# KiCad board transistor_clock.kicad_pcb (continued)
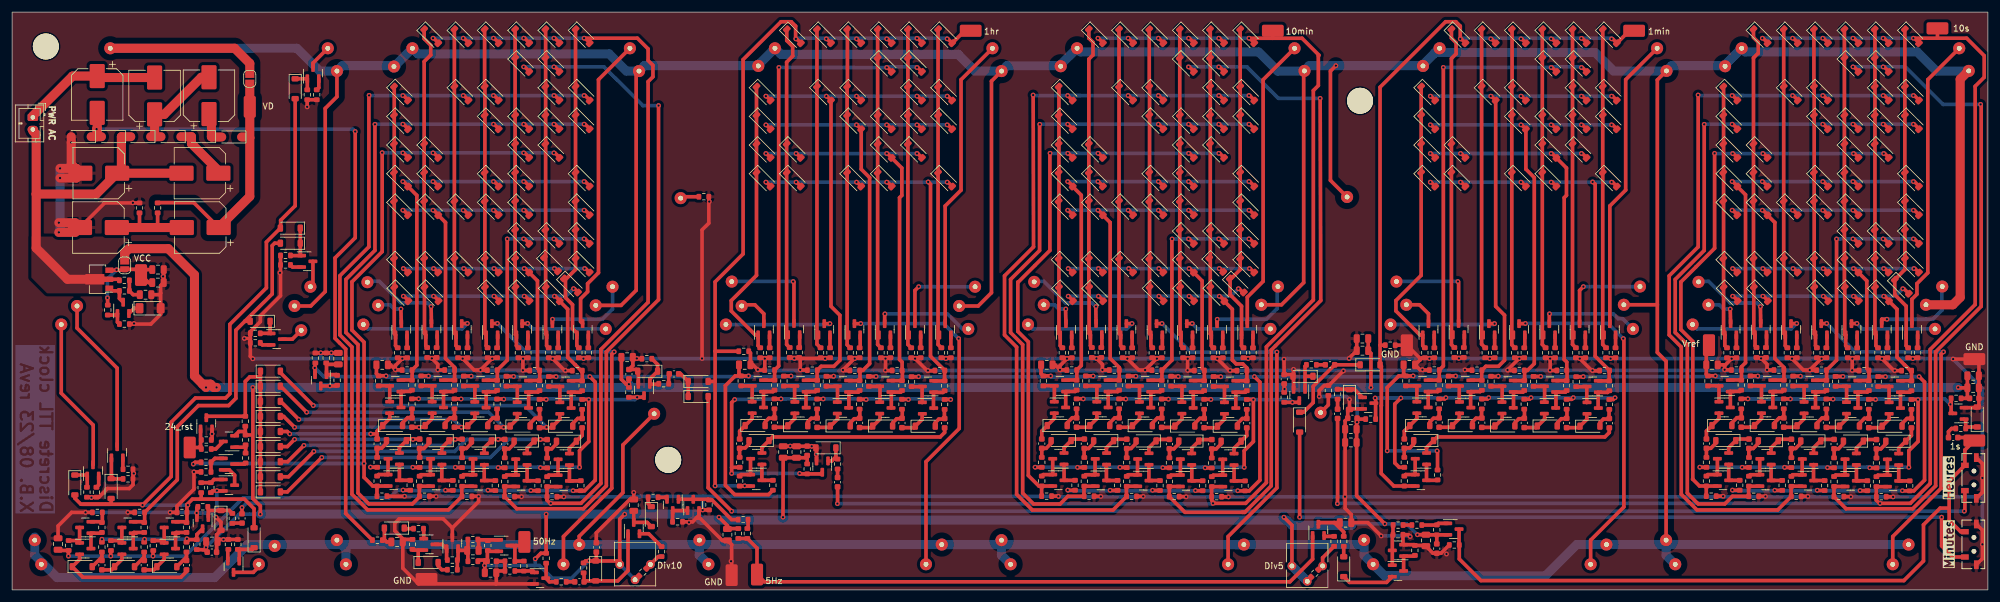
[diagram p0: board, top side]
## Library data of the parts (continued)
R19 R20 R22 R24 R26 R28 R30 R32 R34 R36 R38 R53 R60 R62 R68 R70 R74 R76 R80 R82 R86 R88 R91 R94 R96 R100 R102 R104 R106 R110 R112 R119 R120 R122 R128 R134 R136 R138 R140 R144 R146 R148 R150 R154 R156 R162 R164 R166 R169 R172 R174 R176 R178 R180 R182 R184 R188 R190 R192 R197 R204 R206 R214 R216 R218 R220 R224 R226 R228 R235 R240 R243 R245 R248 R252 R255 R272 R274 R276 R278 R280 R282 R284 R286 R288 R290 R292 R294 R296 R298 R300 R302 R304 R306 R308 R310 R312 R314 R316 R318 R323 R325 R329 = -: Description: Resistor; Assembly: True; LCSC_PN: C4190; Price: 0.0009
R236 R244 R261 = -: Description: Resistor; Assembly: True; LCSC_PN: C21190; Price: 0.0005
R253 R267 R269 = -: Description: Resistor; Assembly: False
RV1 RV2 = -: Description: Potentiometer; Assembly: False
SW1 SW2 = -: Description: Double Pole Single Throw (DPST) Switch
TP1-TP15 = -: Description: test point; Assembly: False

## Footprints (pads in the part's own frame, mm; a bottom-side part is the same pattern mirrored in y, then rotated)
C_0603_1608Metric
  rrect 0.9x0.95 smd: 1(-0.775,0) 2(0.775,0)
C_0805_2012Metric
  rrect 1x1.45 smd: 1(-0.95,0) 2(0.95,0)
CP_Elec_8x5.4
  rrect 4x2.5 smd: 1(-3.05,0) 2(3.05,0)
D_MiniMELF
  rrect 1.3x1.7 smd: 1(-1.75,0) 2(1.75,0)
D_SOD-123
  rrect 0.9x1.2 smd: 1(-1.65,0) 2(1.65,0)
JST_PH_B2B-PH-K_1x02_P2.00mm_Vertical
  rrect 1.2x1.75 hole 0.75: 1(0,0)
  oval 1.2x1.75 hole 0.75: 2(2,0)
LED_filament_38mm
  round 2 hole 0.8: 1(1,0) 2(37,0)
MountingHole_4.3mm_M4
  round 4.3 hole 4.3 unplated: (0,0)
Potentiometer_Vishay_T73YP_Vertical
  round 1.44 hole 0.8: 1(0,0) 2(2.54,2.54) 3(0,5.08)
R_0603_1608Metric
  rrect 0.8x0.95 smd: 1(-0.825,0) 2(0.825,0)
RCSRCW_0C_testpoint_1206
  rrect 3.6x2 smd: 1(0,0)
SolderJumper-2_P1.3mm_Open_RoundedPad1.0x1.5mm
  custom 1x1.5 smd: 1(-0.65,0) 2(0.65,0)
SOT-23
  rrect 1.475x0.6 smd: 1(-0.938,0.95) 2(-0.938,-0.95) 3(0.938,0)
SOT-89-3
  rect 1.3x0.9 smd: 1(-1.95,1.5) 3(-1.95,-1.5)
  custom 4.6x1.733 smd: 2(-1.863,0)
TL3330
  round 0.8 hole 0.762 unplated: (-1.15,-0.1) (1.15,-0.1)
  rect 0.889x1.27 smd: 1(-2.095,1.397) 2(2.095,1.397)
  rect 1.448x0.787 smd: 3(-3.378,-0.495) 4(3.378,-0.495)

## Nets
/PSU/12V_out: C61.1 C76.1 JP1.1 Q123.3 R253.1 TP5.1
/PSU/12V_unreg: C66.2 C74.1 D298.1 D324.2 J2.2 Q123.2 R252.1
GND: C1.1 C2.2 C4.2 C5.1 C7.1 C13.2 C15.2 C17.2 C19.2 C20.1 C22.1 C27.2 C28.2 C29.1 C31.1 C36.2 C37.1 C39.1 C42.1 C43.1 C57.1 C58.2 C59.1 C60.2 C61.2 C67.2 C69.1 C70.1 C71.1 C72.2 C73.1 C74.2 C76.2 C77.1 C79.2 C80.1 C83.2 D57.2 D123.2 D137.2 D147.2 D262.2 D292.2 D296.2 D297.2 Q9.2 Q26.2 Q45.2 Q59.2 Q84.2 Q97.2 Q111.2 Q115.2 Q118.2 Q121.2 Q126.3 Q158.2 R2.2 R3.2 R4.2 R5.2 R6.2 R7.2 R8.2 R9.2 R10.2 R11.2 R12.2 R13.2 R14.2 R15.2 R16.2 R17.2 R22.2 R26.2 R30.2 R34.2 R38.2 R40.2 R41.2 R42.2 R43.2 R44.2 R45.2 R46.2 R47.2 R48.2 R49.2 R50.2 R51.2 R54.2 R55.2 R56.2 R57.2 R58.2 R59.2 R62.2 R64.2 R65.2 R66.2 R67.2 R70.2 R72.2 R73.2 R76.2 R78.2 R79.2 R82.2 R84.2 R85.2 R88.2 R92.2 R93.2 R96.2 R98.2 R99.2 R102.2 R106.2 R108.2 R109.2 R112.2 R114.2 R115.2 R116.2 R117.2 R122.2 R124.2 R125.2 R126.2 R127.2 R130.2 R131.2 R132.2 R133.2 R134.2 R138.2 R142.2 R143.2 R146.2 R150.2 R152.2 R153.2 R156.2 R158.2 R159.2 R160.2 R161.2 R164.2 R166.2 R170.2 R171.2 R174.2 R178.2 R182.2 R186.2 R187.2 R188.2 R192.2 R194.1 R196.1 R200.2 R201.2 R202.2 R203.2 R206.2 R208.2 R209.2 R210.2 R211.2 R212.2 R213.2 R216.2 R220.2 R226.2 R231.2 R239.2 R242.2 R245.2 R247.2 R250.2 R251.2 R254.2 R262.1 R265.1 R266.2 R274.2 R278.2 R282.2 R286.2 R290.2 R294.2 R298.2 R302.2 R306.2 R310.2 R314.2 R318.2 R320.2 R321.2 R325.2 R328.1 R330.2 R331.2 SW1.3 SW1.4 SW2.3 SW2.4 TP1.1 TP2.1 TP3.1 TP4.1
VCC: C2.1 C4.1 C5.2 C13.1 C15.1 C17.1 C19.1 C20.2 C27.1 C28.1 C29.2 C36.1 C37.2 C42.2 C58.1 C59.2 C67.1 C69.2 C72.1 C73.2 C79.1 C80.2 D289.1 JP1.2 Q1.3 Q98.2 Q122.2 Q128.2 R1.1 R19.1 R53.1 R91.1 R119.1 R169.1 R197.1 R198.2 R232.1 R234.2 R240.1 R248.1 R260.2 R264.2 R267.2 R269.2 R329.1 RV1.1 RV1.2 RV2.1 RV2.2
/5Hz: Q119.1 R240.2 R241.1 TP9.1
/50Hz: Q128.3 R230.1 R265.2 TP8.1
/clk_1hr: D65.2 D66.2 D67.2 D68.2 D69.2 D70.2 D303.2 Q144.2 R297.2 R298.1 TP14.1
/clk_1min: D92.2 D93.2 D94.2 D95.2 D96.2 D97.2 D302.2 Q132.2 R273.2 R274.1 TP12.1
/clk_1s: C6.1 Q122.3 R251.1 SW1.2 SW2.2 TP10.1
/clk_10min: C30.1 D150.2 D151.2 D152.2 D153.2 D154.2 D155.2 Q61.2 R121.2 R122.1 TP13.1
/clk_10s: C21.1 D8.2 D9.2 D10.2 D11.2 D12.2 D13.2 Q11.2 R21.2 R22.1 TP11.1
/Dot_H-M: D316.1 R320.1
/Dot_M-S: D317.1 R321.1
/Hours/24_rst: Q97.1 R195.1 R196.2 TP15.1
/Hours/CLK: Q84.3 R32.1 R80.1 R86.1 R128.1 R136.1 R140.1 R169.2 R172.1 R180.1 R184.1 R190.1
/Hours/Clk_in: C41.1 D303.1 D323.1
/Hours/Div24_t_A: D318.1 Q104.1 R208.1
/Hours/Div24_t_B: D294.1 D319.1 Q106.1 R212.1
/Hours/Div24_t_C: D295.1 Q100.1 R200.1
/Hours/Div24_t_D: D320.1 Q101.1 R202.1
/Hours/Div24_t_E: D321.1 Q93.1 R186.1
/Hours/Div24_t_G: D322.1 Q105.1 R210.1
/Hours/Div24_u_A: D61.1 D206.1 D211.1 D220.1 D225.1 D231.1 D234.1 D241.1 Q79.1 R158.1
/Hours/Div24_u_B: D134.1 D204.1 D207.1 D212.1 D216.1 D232.1 D235.1 D242.1 Q85.1 R170.1
/Hours/Div24_u_C: D136.1 D205.1 D213.1 D217.1 D221.1 D226.1 D233.1 D236.1 D243.1 Q66.1 R132.1
/Hours/Div24_u_D: D200.1 D208.1 D214.1 D222.1 D227.1 D237.1 D244.1 Q71.1 R142.1
/Hours/Div24_u_E: D202.1 D209.1 D228.1 D238.1 Q65.1 R130.1
/Hours/Div24_u_F: D203.1 D218.1 D223.1 D229.1 D239.1 D245.1 Q76.1 R152.1
/Hours/Div24_u_G: D210.1 D215.1 D219.1 D224.1 D230.1 D240.1 D246.1 Q80.1 R160.1
/Hours/I0: C45.2 D247.1 Q16.2
/Hours/I1: C3.2 D249.1 D271.2 Q43.2
/Hours/I2: C14.2 D248.1 D272.2 Q40.2
/Hours/I3: C11.2 D252.1 D273.2 Q68.2
/Hours/I4: C18.2 D253.1 D274.2 Q70.2
/Hours/I5: C26.2 D250.1 D275.2 Q64.2
/Hours/I6: C16.2 D264.1 D276.2 Q86.2
/Hours/I7: C44.2 D267.1 D277.2 Q92.2
/Hours/I8: C46.2 D269.1 D278.2 Q95.2
/Hours/I9: C51.2 D266.1 D287.2 Q90.2
/Hours/Ih0: C54.2 D270.1 Q112.2
/Hours/Ih1: C52.2 D291.1 Q156.2
/Hours/Ih2: C55.2 D288.1 Q114.2
/Hours/O0: C56.1 D61.2 D134.2 D136.2 D200.2 D202.2 D203.2 Q17.2 R33.2 R34.1
/Hours/O1: D204.2 D205.2 Q44.2 R87.2 R88.1
/Hours/O2: D206.2 D207.2 D208.2 D209.2 D210.2 Q41.2 R81.2 R82.1
/Hours/O3: D211.2 D212.2 D213.2 D214.2 D215.2 Q69.2 R137.2 R138.1
/Hours/O4: D216.2 D217.2 D218.2 D219.2 Q83.2 R141.2 R166.1 R222.2
/Hours/O5: D220.2 D221.2 D222.2 D223.2 D224.2 Q67.2 R129.2 R134.1
/Hours/O6: D225.2 D226.2 D227.2 D228.2 D229.2 D230.2 Q87.2 R173.2 R174.1
/Hours/O7: D231.2 D232.2 D233.2 Q94.2 R185.2 R188.1
/Hours/O8: D234.2 D235.2 D236.2 D237.2 D238.2 D239.2 D240.2 Q96.2 R191.2 R192.1
/Hours/O9: D241.2 D242.2 D243.2 D244.2 D245.2 D246.2 Q91.2 R181.2 R182.1
/Hours/Oh0: Q113.2 R225.2 R226.1
/Hours/Oh1: D294.2 D295.2 Q157.2 R324.2 R325.1
/Hours/Oh2: D318.2 D319.2 D320.2 D321.2 D322.2 Q155.2 R223.2 R229.2 R245.1
/Hours/SCR_stage10/RST: Q158.3 R224.1 R228.1 R323.1 R329.2
/Minutes/10counter/RST: Q59.3 R28.1 R68.1 R74.1 R104.1 R110.1 R119.2 R120.1 R154.1 R162.1 R214.1 R218.1
/Minutes/10counter/SCR_stage1/NEXT: C10.2 D132.1 Q37.2
/Minutes/10counter/SCR_stage2/NEXT: C25.2 D130.1 Q34.2
/Minutes/10counter/SCR_stage3/NEXT: C24.2 D144.1 Q55.2
/Minutes/10counter/SCR_stage4/NEXT: C35.2 D142.1 Q52.2
/Minutes/10counter/SCR_stage5/NEXT: C34.2 D261.1 Q81.2
/Minutes/10counter/SCR_stage6/NEXT: C50.2 D258.1 Q77.2
/Minutes/10counter/SCR_stage7/NEXT: C49.2 D286.1 Q109.2
/Minutes/10counter/SCR_stage8/NEXT: C64.2 D285.1 Q107.2
/Minutes/10counter/SCR_stage/IN: C63.2 D148.1 Q60.2
/Minutes/10counter/SCR_stage/NEXT: C40.2 D60.1 Q14.2
/Minutes/10Decoder/1: D156.2 D157.2 Q15.2 R29.2 R30.1
/Minutes/10Decoder/2: D158.2 D159.2 D160.2 D161.2 D162.2 Q38.2 R75.2 R76.1
/Minutes/10Decoder/3: D163.2 D164.2 D165.2 D166.2 D167.2 Q35.2 R69.2 R70.1
/Minutes/10Decoder/4: D168.2 D169.2 D170.2 D171.2 Q56.2 R111.2 R112.1
/Minutes/10Decoder/5: D172.2 D173.2 D174.2 D175.2 D176.2 Q53.2 R105.2 R106.1
/Minutes/10Decoder/6: D177.2 D178.2 D179.2 D180.2 D181.2 D182.2 Q82.2 R163.2 R164.1
/Minutes/10Decoder/7: D183.2 D184.2 D185.2 Q78.2 R155.2 R156.1
/Minutes/10Decoder/8: D186.2 D187.2 D188.2 D189.2 D190.2 D191.2 D192.2 Q110.2 R219.2 R220.1
/Minutes/10Decoder/9: D193.2 D194.2 D195.2 D196.2 D197.2 D198.2 Q108.2 R215.2 R216.1
/Minutes/Clk_in: C38.1 D301.1 D302.1
/Minutes/Div10_A: D150.1 D158.1 D163.1 D172.1 D177.1 D183.1 D186.1 D193.1 Q25.1 R50.1
/Minutes/Div10_B: D151.1 D156.1 D159.1 D164.1 D168.1 D184.1 D187.1 D194.1 Q27.1 R54.1
/Minutes/Div10_C: D152.1 D157.1 D165.1 D169.1 D173.1 D178.1 D185.1 D188.1 D195.1 Q49.1 R98.1
/Minutes/Div10_D: D153.1 D160.1 D166.1 D174.1 D179.1 D189.1 D196.1 Q58.1 R116.1
/Minutes/Div10_E: D154.1 D161.1 D180.1 D190.1 Q62.1 R124.1
/Minutes/Div10_F: D155.1 D170.1 D175.1 D181.1 D191.1 D197.1 Q63.1 R126.1
/Minutes/Div10_G: D162.1 D167.1 D171.1 D176.1 D182.1 D192.1 D198.1 Q57.1 R114.1
/PSU/AC2: C65.1 C81.2 J2.1
/PSU/Sync: C65.2 D296.1 D298.2 R257.1
/PSU/Vleds: C82.1 D327.1 JP2.2 R256.1 TP6.1
/Seconds/10counter/RST: Q9.3 R19.2 R20.1 R24.1 R36.1 R60.1 R94.1 R100.1 R144.1 R148.1 R176.1 R204.1
/Seconds/10counter/SCR_stage1/NEXT: C9.2 D62.1 Q18.2
/Seconds/10counter/SCR_stage2/NEXT: C12.2 D127.1 Q30.2
/Seconds/10counter/SCR_stage3/NEXT: C23.2 D139.1 Q47.2
/Seconds/10counter/SCR_stage4/NEXT: C32.2 D141.1 Q50.2
/Seconds/10counter/SCR_stage5/NEXT: C33.2 D255.1 Q72.2
/Seconds/10counter/SCR_stage6/NEXT: C47.2 D256.1 Q74.2
/Seconds/10counter/SCR_stage7/NEXT: C48.2 D265.1 Q88.2
/Seconds/10counter/SCR_stage8/NEXT: C53.2 D281.1 Q102.2
/Seconds/10counter/SCR_stage/IN: C62.2 D58.1 Q10.2
/Seconds/10counter/SCR_stage/NEXT: C8.2 D59.1 Q12.2
/Seconds/10Decoder/1: D14.2 D15.2 Q13.2 R25.2 R26.1
/Seconds/10Decoder/2: D16.2 D17.2 D18.2 D19.2 D20.2 Q19.2 R37.2 R38.1
/Seconds/10Decoder/3: D21.2 D22.2 D23.2 D24.2 D25.2 Q31.2 R61.2 R62.1
/Seconds/10Decoder/4: D26.2 D27.2 D28.2 D29.2 Q48.2 R95.2 R96.1
/Seconds/10Decoder/5: D30.2 D31.2 D32.2 D33.2 D34.2 Q51.2 R101.2 R102.1
/Seconds/10Decoder/6: D35.2 D36.2 D37.2 D38.2 D39.2 D40.2 Q73.2 R145.2 R146.1
/Seconds/10Decoder/7: D41.2 D42.2 D43.2 Q75.2 R149.2 R150.1
/Seconds/10Decoder/8: D44.2 D45.2 D46.2 D47.2 D48.2 D49.2 D50.2 Q89.2 R177.2 R178.1
/Seconds/10Decoder/9: D51.2 D52.2 D53.2 D54.2 D55.2 D56.2 Q103.2 R205.2 R206.1
/Seconds/Div10_A: D8.1 D16.1 D21.1 D30.1 D35.1 D41.1 D44.1 D51.1 Q2.1 R4.1
/Seconds/Div10_B: D9.1 D14.1 D17.1 D22.1 D26.1 D42.1 D45.1 D52.1 Q3.1 R6.1
/Seconds/Div10_C: D10.1 D15.1 D23.1 D27.1 D31.1 D36.1 D43.1 D46.1 D53.1 Q4.1 R8.1
/Seconds/Div10_D: D11.1 D18.1 D24.1 D32.1 D37.1 D47.1 D54.1 Q5.1 R10.1
/Seconds/Div10_E: D12.1 D19.1 D38.1 D48.1 Q6.1 R12.1
/Seconds/Div10_F: D13.1 D28.1 D33.1 D39.1 D49.1 D55.1 Q7.1 R14.1
/Seconds/Div10_G: D20.1 D25.1 D29.1 D34.1 D40.1 D50.1 D56.1 Q8.1 R16.1
/TensMinutes/6counter/RST: Q45.3 R91.2 R296.1 R300.1 R304.1 R308.1 R312.1 R316.1
/TensMinutes/6counter/SCR_stage1/NEXT: C92.2 D312.1 Q147.2
/TensMinutes/6counter/SCR_stage2/NEXT: C93.2 D313.1 Q149.2
/TensMinutes/6counter/SCR_stage3/NEXT: C94.2 D314.1 Q151.2
/TensMinutes/6counter/SCR_stage4/NEXT: C95.2 D315.1 Q153.2
/TensMinutes/6counter/SCR_stage/IN: C96.2 D310.1 Q143.2
/TensMinutes/6counter/SCR_stage/NEXT: C91.2 D311.1 Q145.2
/TensMinutes/6Decoder/1: D71.2 D72.2 Q146.2 R301.2 R302.1
/TensMinutes/6Decoder/2: D73.2 D74.2 D75.2 D76.2 D77.2 Q148.2 R305.2 R306.1
/TensMinutes/6Decoder/3: D78.2 D79.2 D80.2 D81.2 D82.2 Q150.2 R309.2 R310.1
/TensMinutes/6Decoder/4: D83.2 D84.2 D85.2 D86.2 Q152.2 R313.2 R314.1
/TensMinutes/6Decoder/5: D87.2 D88.2 D89.2 D90.2 D91.2 Q154.2 R317.2 R318.1
/TensMinutes/Div6_A: D65.1 D73.1 D78.1 D87.1 Q39.1 R78.1
/TensMinutes/Div6_B: D66.1 D71.1 D74.1 D79.1 D83.1 Q46.1 R92.1
/TensMinutes/Div6_C: D67.1 D72.1 D80.1 D84.1 D88.1 Q36.1 R72.1
/TensMinutes/Div6_D: D68.1 D75.1 D81.1 D89.1 Q21.1 R42.1
/TensMinutes/Div6_E: D69.1 D76.1 Q23.1 R46.1
/TensMinutes/Div6_F: D70.1 D85.1 D90.1 Q54.1 R108.1
/TensMinutes/Div6_G: D77.1 D82.1 D86.1 D91.1 Q42.1 R84.1
/TensSeconds/6counter/RST: Q26.3 R53.2 R272.1 R276.1 R280.1 R284.1 R288.1 R292.1
/TensSeconds/6counter/SCR_stage1/NEXT: C86.2 D306.1 Q135.2
/TensSeconds/6counter/SCR_stage2/NEXT: C87.2 D307.1 Q137.2
/TensSeconds/6counter/SCR_stage3/NEXT: C88.2 D308.1 Q139.2
/TensSeconds/6counter/SCR_stage4/NEXT: C89.2 D309.1 Q141.2
/TensSeconds/6counter/SCR_stage/IN: C90.2 D304.1 Q131.2
/TensSeconds/6counter/SCR_stage/NEXT: C85.2 D305.1 Q133.2
/TensSeconds/6Decoder/1: D98.2 D99.2 Q134.2 R277.2 R278.1
/TensSeconds/6Decoder/2: D100.2 D101.2 D102.2 D103.2 D104.2 Q136.2 R281.2 R282.1
/TensSeconds/6Decoder/3: D105.2 D106.2 D107.2 D108.2 D109.2 Q138.2 R285.2 R286.1
/TensSeconds/6Decoder/4: D110.2 D111.2 D112.2 D113.2 Q140.2 R289.2 R290.1
/TensSeconds/6Decoder/5: D114.2 D115.2 D116.2 D117.2 D118.2 Q142.2 R293.2 R294.1
/TensSeconds/Div6_A: D92.1 D100.1 D105.1 D114.1 Q24.1 R48.1
/TensSeconds/Div6_B: D93.1 D98.1 D101.1 D106.1 D110.1 Q33.1 R66.1
/TensSeconds/Div6_C: D94.1 D99.1 D107.1 D111.1 D115.1 Q20.1 R40.1
/TensSeconds/Div6_D: D95.1 D102.1 D108.1 D116.1 Q29.1 R58.1
/TensSeconds/Div6_E: D96.1 D103.1 Q28.1 R56.1
/TensSeconds/Div6_F: D97.1 D112.1 D117.1 Q32.1 R64.1
/TensSeconds/Div6_G: D104.1 D109.1 D113.1 D118.1 Q22.1 R44.1
/Vref: C7.2 C22.2 C31.2 C39.2 C43.2 C57.2 Q1.2 R3.1 R23.2 R27.2 R31.2 R35.2 R39.2 R63.2 R71.2 R77.2 R83.2 R89.2 R97.2 R103.2 R107.2 R113.2 R123.2 R135.2 R139.2 R147.2 R151.2 R157.2 R165.2 R167.2 R175.2 R179.2 R183.2 R189.2 R193.2 R207.2 R217.2 R221.2 R227.2 R246.2 R275.2 R279.2 R283.2 R287.2 R291.2 R295.2 R299.2 R303.2 R307.2 R311.2 R315.2 R319.2 R326.2 TP7.1
VD: D1.2 D2.2 D3.2 D4.2 D5.2 D6.2 D7.2 D63.2 D64.2 D119.2 D120.2 D121.2 D122.2 D124.2 D125.2 D126.2 D128.2 D129.2 D131.2 D133.2 D135.2 D138.2 D140.2 D143.2 D145.2 D146.2 D149.2 D199.2 D201.2 D251.2 D254.2 D257.2 D259.2 D260.2 D263.2 D268.2 D279.2 D280.2 D282.2 D283.2 D284.2 D316.2 D317.2 JP2.1
Net-(C6-Pad2): C6.2 R18.1
Net-(C21-Pad2): C21.2 R52.1
Net-(C30-Pad2): C30.2 R90.1
Net-(C38-Pad2): C38.2 R118.1
Net-(C41-Pad2): C41.2 R168.1
Net-(C56-Pad2): C56.2 R327.1
Net-(C60-Pad1): C60.1 R252.2 R255.2
Net-(C68-Pad1): C68.1 R233.2
Net-(C82-Pad2): C82.2 C83.1 R256.2 R266.1
Net-(D1-K): D1.1 Q2.3
Net-(D2-K): D2.1 Q3.3
Net-(D3-K): D3.1 Q4.3
Net-(D4-K): D4.1 Q5.3
Net-(D5-K): D5.1 Q6.3
Net-(D6-K): D6.1 Q7.3
Net-(D7-K): D7.1 Q8.3
Net-(D57-K): D57.1 Q9.1 R18.2
Net-(D58-A): C8.1 D58.2 R20.2
Net-(D59-A): C9.1 D59.2 R24.2
Net-(D60-A): C10.1 D60.2 R28.2
Net-(D62-A): C12.1 D62.2 R36.2
Net-(D63-K): D63.1 Q20.3
Net-(D64-K): D64.1 Q21.3
Net-(D119-K): D119.1 Q22.3
Net-(D120-K): D120.1 Q23.3
Net-(D121-K): D121.1 Q24.3
Net-(D122-K): D122.1 Q25.3
Net-(D123-K): D123.1 Q26.1 R52.2
Net-(D124-K): D124.1 Q27.3
Net-(D125-K): D125.1 Q28.3
Net-(D126-K): D126.1 Q29.3
Net-(D127-A): C23.1 D127.2 R60.2
Net-(D128-K): D128.1 Q32.3
Net-(D129-K): D129.1 Q33.3
Net-(D130-A): C24.1 D130.2 R68.2
Net-(D131-K): D131.1 Q36.3
Net-(D132-A): C25.1 D132.2 R74.2
Net-(D133-K): D133.1 Q39.3
Net-(D135-K): D135.1 Q42.3
Net-(D137-K): D137.1 Q45.1 R90.2
Net-(D138-K): D138.1 Q46.3
Net-(D139-A): C32.1 D139.2 R94.2
Net-(D140-K): D140.1 Q49.3
Net-(D141-A): C33.1 D141.2 R100.2
Net-(D142-A): C34.1 D142.2 R104.2
Net-(D143-K): D143.1 Q54.3
Net-(D144-A): C35.1 D144.2 R110.2
Net-(D145-K): D145.1 Q57.3
Net-(D146-K): D146.1 Q58.3
Net-(D147-K): D147.1 Q59.1 R118.2
Net-(D148-A): C40.1 D148.2 R120.2
Net-(D149-K): D149.1 Q62.3
Net-(D199-K): D199.1 Q63.3
Net-(D201-K): D201.1 Q65.3
Net-(D247-A): C3.1 D247.2 R32.2
Net-(D248-A): C11.1 D248.2 R80.2
Net-(D249-A): C14.1 D249.2 R86.2
Net-(D250-A): C16.1 D250.2 R128.2
Net-(D251-K): D251.1 Q66.3
Net-(D252-A): C18.1 D252.2 R136.2
Net-(D253-A): C26.1 D253.2 R140.2
Net-(D254-K): D254.1 Q71.3
Net-(D255-A): C47.1 D255.2 R144.2
Net-(D256-A): C48.1 D256.2 R148.2
Net-(D257-K): D257.1 Q76.3
Net-(D258-A): C49.1 D258.2 R154.2
Net-(D259-K): D259.1 Q79.3
Net-(D260-K): D260.1 Q80.3
Net-(D261-A): C50.1 D261.2 R162.2
Net-(D262-K): D262.1 Q84.1 R168.2 R194.2
Net-(D263-K): D263.1 Q85.3
Net-(D264-A): C44.1 D264.2 R172.2
Net-(D265-A): C53.1 D265.2 R176.2
Net-(D266-A): C45.1 D266.2 R180.2
Net-(D267-A): C46.1 D267.2 R184.2
Net-(D268-K): D268.1 Q93.3
Net-(D269-A): C51.1 D269.2 R190.2
Net-(D270-A): C52.1 D270.2 R224.2
Net-(D271-K): D271.1 D272.1 D273.1 D274.1 D275.1 D276.1 D277.1 D278.1 D287.1 Q97.3 R197.2
Net-(D279-K): D279.1 Q100.3
Net-(D280-K): D280.1 Q101.3
Net-(D281-A): C62.1 D281.2 R204.2
Net-(D282-K): D282.1 Q104.3
Net-(D283-K): D283.1 Q105.3
Net-(D284-K): D284.1 Q106.3
Net-(D285-A): C63.1 D285.2 R214.2
Net-(D286-A): C64.1 D286.2 R218.2
Net-(D288-A): C54.1 D288.2 R228.2
Net-(D289-A): C68.2 D289.2 Q116.1 R234.1
Net-(D290-A): C70.2 D290.2 Q116.3
Net-(D290-K): D290.1 R236.1
Net-(D291-A): C55.1 D291.2 R323.2
Net-(D292-K): D292.1 Q158.1 R327.2 R328.2
Net-(D293-A): D293.2 R244.2
Net-(D293-K): D293.1 Q120.2
Net-(D297-K): D297.1 Q124.2
Net-(D299-A): C77.2 D299.2 R257.2
Net-(D299-K): D299.1 R258.1
Net-(D300-A): D300.2 R261.1
Net-(D300-K): D300.1 Q127.2 R262.2
Net-(D301-A): D301.2 SW2.1
Net-(D304-A): C85.1 D304.2 R272.2
Net-(D305-A): C86.1 D305.2 R276.2
Net-(D306-A): C87.1 D306.2 R280.2
Net-(D307-A): C88.1 D307.2 R284.2
Net-(D308-A): C89.1 D308.2 R288.2
Net-(D309-A): C90.1 D309.2 R292.2
Net-(D310-A): C91.1 D310.2 R296.2
Net-(D311-A): C92.1 D311.2 R300.2
Net-(D312-A): C93.1 D312.2 R304.2
Net-(D313-A): C94.1 D313.2 R308.2
Net-(D314-A): C95.1 D314.2 R312.2
Net-(D315-A): C96.1 D315.2 R316.2
Net-(D323-A): D323.2 SW1.1
Net-(D324-K): C75.2 C81.1 D324.1 D325.2
Net-(D325-K): C66.1 D325.1 D326.2
Net-(D326-K): C75.1 D326.1 D327.2
Net-(Q1-B): C1.2 Q1.1 R1.2 R2.1
Net-(Q2-E): Q2.2 R5.1
Net-(Q3-E): Q3.2 R7.1
Net-(Q4-E): Q4.2 R9.1
Net-(Q5-E): Q5.2 R11.1
Net-(Q6-E): Q6.2 R13.1
Net-(Q7-E): Q7.2 R15.1
Net-(Q8-E): Q8.2 R17.1
Net-(Q10-B): Q10.1 Q11.3 R23.1
Net-(Q10-C): Q10.3 Q11.1 R21.1
Net-(Q12-B): Q12.1 Q13.3 R27.1
Net-(Q12-C): Q12.3 Q13.1 R25.1
Net-(Q14-B): Q14.1 Q15.3 R31.1
Net-(Q14-C): Q14.3 Q15.1 R29.1
Net-(Q16-B): Q16.1 Q17.3 R35.1
Net-(Q16-C): Q16.3 Q17.1 R33.1
Net-(Q18-B): Q18.1 Q19.3 R39.1
Net-(Q18-C): Q18.3 Q19.1 R37.1
Net-(Q20-E): Q20.2 R41.1
Net-(Q21-E): Q21.2 R43.1
Net-(Q22-E): Q22.2 R45.1
Net-(Q23-E): Q23.2 R47.1
Net-(Q24-E): Q24.2 R49.1
Net-(Q25-E): Q25.2 R51.1
Net-(Q27-E): Q27.2 R55.1
Net-(Q28-E): Q28.2 R57.1
Net-(Q29-E): Q29.2 R59.1
Net-(Q30-B): Q30.1 Q31.3 R63.1
Net-(Q30-C): Q30.3 Q31.1 R61.1
Net-(Q32-E): Q32.2 R65.1
Net-(Q33-E): Q33.2 R67.1
Net-(Q34-B): Q34.1 Q35.3 R71.1
Net-(Q34-C): Q34.3 Q35.1 R69.1
Net-(Q36-E): Q36.2 R73.1
Net-(Q37-B): Q37.1 Q38.3 R77.1
Net-(Q37-C): Q37.3 Q38.1 R75.1
Net-(Q39-E): Q39.2 R79.1
Net-(Q40-B): Q40.1 Q41.3 R83.1
Net-(Q40-C): Q40.3 Q41.1 R81.1
Net-(Q42-E): Q42.2 R85.1
Net-(Q43-B): Q43.1 Q44.3 R89.1
Net-(Q43-C): Q43.3 Q44.1 R87.1
Net-(Q46-E): Q46.2 R93.1
Net-(Q47-B): Q47.1 Q48.3 R97.1
Net-(Q47-C): Q47.3 Q48.1 R95.1
Net-(Q49-E): Q49.2 R99.1
Net-(Q50-B): Q50.1 Q51.3 R103.1
Net-(Q50-C): Q50.3 Q51.1 R101.1
Net-(Q52-B): Q52.1 Q53.3 R107.1
Net-(Q52-C): Q52.3 Q53.1 R105.1
Net-(Q54-E): Q54.2 R109.1
Net-(Q55-B): Q55.1 Q56.3 R113.1
Net-(Q55-C): Q55.3 Q56.1 R111.1
Net-(Q57-E): Q57.2 R115.1
Net-(Q58-E): Q58.2 R117.1
Net-(Q60-B): Q60.1 Q61.3 R123.1
Net-(Q60-C): Q60.3 Q61.1 R121.1
Net-(Q62-E): Q62.2 R125.1
Net-(Q63-E): Q63.2 R127.1
Net-(Q64-B): Q64.1 Q67.3 R135.1
Net-(Q64-C): Q64.3 Q67.1 R129.1
Net-(Q65-E): Q65.2 R131.1
Net-(Q66-E): Q66.2 R133.1
Net-(Q68-B): Q68.1 Q69.3 R139.1
Net-(Q68-C): Q68.3 Q69.1 R137.1
Net-(Q70-B): Q70.1 Q83.3 R167.1
Net-(Q70-C): Q70.3 Q83.1 R141.1
Net-(Q71-E): Q71.2 R143.1
Net-(Q72-B): Q72.1 Q73.3 R147.1
Net-(Q72-C): Q72.3 Q73.1 R145.1
Net-(Q74-B): Q74.1 Q75.3 R151.1
Net-(Q74-C): Q74.3 Q75.1 R149.1
Net-(Q76-E): Q76.2 R153.1
Net-(Q77-B): Q77.1 Q78.3 R157.1
Net-(Q77-C): Q77.3 Q78.1 R155.1
Net-(Q79-E): Q79.2 R159.1
Net-(Q80-E): Q80.2 R161.1
Net-(Q81-B): Q81.1 Q82.3 R165.1
Net-(Q81-C): Q81.3 Q82.1 R163.1
Net-(Q85-E): Q85.2 R171.1
Net-(Q86-B): Q86.1 Q87.3 R175.1
Net-(Q86-C): Q86.3 Q87.1 R173.1
Net-(Q88-B): Q88.1 Q89.3 R179.1
Net-(Q88-C): Q88.3 Q89.1 R177.1
Net-(Q90-B): Q90.1 Q91.3 R183.1
Net-(Q90-C): Q90.3 Q91.1 R181.1
Net-(Q92-B): Q92.1 Q94.3 R189.1
Net-(Q92-C): Q92.3 Q94.1 R185.1
Net-(Q93-E): Q93.2 R187.1
Net-(Q95-B): Q95.1 Q96.3 R193.1
Net-(Q95-C): Q95.3 Q96.1 R191.1
Net-(Q98-B): Q98.1 R198.1 R199.2
Net-(Q98-C): Q98.3 R195.2
Net-(Q99-B): Q99.1 R222.1 R331.1
Net-(Q99-C): Q99.3 R199.1
Net-(Q100-E): Q100.2 R201.1
Net-(Q101-E): Q101.2 R203.1
Net-(Q102-B): Q102.1 Q103.3 R207.1
Net-(Q102-C): Q102.3 Q103.1 R205.1
Net-(Q104-E): Q104.2 R209.1
Net-(Q105-E): Q105.2 R211.1
Net-(Q106-E): Q106.2 R213.1
Net-(Q107-B): Q107.1 Q108.3 R217.1
Net-(Q107-C): Q107.3 Q108.1 R215.1
Net-(Q109-B): Q109.1 Q110.3 R221.1
Net-(Q109-C): Q109.3 Q110.1 R219.1
Net-(Q111-B): Q111.1 R223.1 R330.1
Net-(Q111-C): Q99.2 Q111.3
Net-(Q112-B): Q112.1 Q113.3 R227.1
Net-(Q112-C): Q112.3 Q113.1 R225.1
Net-(Q114-B): Q114.1 Q155.3 R246.1
Net-(Q114-C): Q114.3 Q155.1 R229.1
Net-(Q115-B): Q115.1 R230.2 R231.1
Net-(Q115-C): Q115.3 R232.2 R233.1
Net-(Q116-E): Q116.2 R235.1
Net-(Q117-B): Q117.1 Q118.3 R238.2 R242.1
Net-(Q117-C): Q117.3 Q118.1 R239.1
Net-(Q117-E): Q117.2 R236.2
Net-(Q119-C): C71.2 Q119.3 R244.1
Net-(Q119-E): Q119.2 R243.1
Net-(Q120-B): Q120.1 Q121.3 R237.2 R250.1
Net-(Q120-C): Q120.3 Q121.1 R247.1
Net-(Q122-B): Q122.1 R248.2 R249.1
Net-(Q123-G): Q123.1 Q124.3 R255.1
Net-(Q124-B): Q124.1 R253.2 R254.1
Net-(Q126-B): Q126.1 Q127.3 R259.1
Net-(Q126-E): C78.2 Q126.2 R259.2 R260.1 R261.2 R263.1
Net-(Q127-B): Q127.1 R258.2
Net-(Q128-B): C78.1 Q128.1 R263.2 R264.1
Net-(Q131-B): Q131.1 Q132.3 R275.1
Net-(Q131-C): Q131.3 Q132.1 R273.1
Net-(Q133-B): Q133.1 Q134.3 R279.1
Net-(Q133-C): Q133.3 Q134.1 R277.1
Net-(Q135-B): Q135.1 Q136.3 R283.1
Net-(Q135-C): Q135.3 Q136.1 R281.1
Net-(Q137-B): Q137.1 Q138.3 R287.1
Net-(Q137-C): Q137.3 Q138.1 R285.1
Net-(Q139-B): Q139.1 Q140.3 R291.1
Net-(Q139-C): Q139.3 Q140.1 R289.1
Net-(Q141-B): Q141.1 Q142.3 R295.1
Net-(Q141-C): Q141.3 Q142.1 R293.1
Net-(Q143-B): Q143.1 Q144.3 R299.1
Net-(Q143-C): Q143.3 Q144.1 R297.1
Net-(Q145-B): Q145.1 Q146.3 R303.1
Net-(Q145-C): Q145.3 Q146.1 R301.1
Net-(Q147-B): Q147.1 Q148.3 R307.1
Net-(Q147-C): Q147.3 Q148.1 R305.1
Net-(Q149-B): Q149.1 Q150.3 R311.1
Net-(Q149-C): Q149.3 Q150.1 R309.1
Net-(Q151-B): Q151.1 Q152.3 R315.1
Net-(Q151-C): Q151.3 Q152.1 R313.1
Net-(Q153-B): Q153.1 Q154.3 R319.1
Net-(Q153-C): Q153.3 Q154.1 R317.1
Net-(Q156-B): Q156.1 Q157.3 R326.1
Net-(Q156-C): Q156.3 Q157.1 R324.1
Net-(R235-Pad2): R235.2 R267.1 RV1.3
Net-(R237-Pad1): R237.1 R249.2
Net-(R238-Pad1): R238.1 R241.2
Net-(R243-Pad2): R243.2 R269.1 RV2.3

## Via types
v1: diameter 0.8, hole 0.4, Top to Bottom, 539 vias

## Routing (per net, layer and track width the routed paths; a pad name or vN(x,y) marks a point on that pad's centre or on a via; arc(x,y) is an arc through that point)
/PSU/12V_out: length 16.8
  Top w0.6: C61.1 22.59,50.93 TP5.1 ; TP5.1 20.39,53.13 18.64,53.13 18.49,52.98 17.36,52.98 v1(17.29,53.05) 17.21,52.98 Q123.3 ; TP5.1 22.24,53.08 C76.1 ; R253.1 v1(15.79,48.4)
  Bottom w0.6: v1(17.29,53.05) 15.79,51.55 v1(15.79,48.4)
/PSU/12V_unreg: length 67
  Top w0.6: Q123.2 17.59,51.48 R252.1
  Top w1.5: C74.1 18.09,69.75 D298.1 D324.2 ; C74.1 C66.2 ; C74.1 13.89,65.55 13.84,65.6 3.99,65.6 ; 3.99,65.6 3.99,75.49 3.44,76.04 ; 3.99,65.6 3.99,56.65 9.16,51.48 14,51.48
GND: length 1560.9
  Top w0.6: v1(284.58,38.33) 284.73,38.48 R17.2 ; v1(284.58,38.33) 283.42,37.17 ; v1(284.58,38.33) 284.43,38.48 R16.2 ; v1(26.15,12.85) R245.2 27.29,13.89 30.09,16.69 v1(30.09,19.55) 31.23,19.55 ; 113.24,11.9 112.62,11.29 112.11,11.29 v1(112.02,11.2) 111.94,11.29 R239.2 ; 113.24,11.9 113.69,12.35 Q118.2 113.8,13.26 114.27,13.26 v1(114.29,13.25) 114.3,13.26 R242.2 ; 113.24,11.9 113.84,11.9 117.54,8.2 C67.2 119.09,7.5 119.09,4.85 v1(118.99,4.75) 119.09,4.65 TP3.1 ; 247.54,36.41 247.6,36.35 248.67,36.35 ; 290.38,38.48 289.58,38.48 v1(289.46,38.36) ; v1(79.46,38.33) 79.4,38.33 v1(77.51,36.44) 76.46,36.44 v1(74.57,38.33) ; R212.2 R213.2 44.43,52.64 v1(44.34,52.55) 44.43,52.46 44.43,48.74 41.09,45.4 41.09,44.45 39.43,42.79 R200.2 ; v1(129.45,38.36) 134.52,38.36 v1(134.56,38.33) ; 76.11,15.52 77.19,15.52 ; R266.2 20.01,64.13 v1(19.99,64.15) 19.96,64.13 15.31,64.13 C83.2 ; 190.37,38.47 188.8,38.47 ; 233.02,38.12 233.38,38.48 R44.2 R45.2 ; 233.02,38.12 C22.1 233.01,36.49 v1(233.41,36.49) 233.47,36.43 R278.2 ; 233.02,38.12 233.02,38.37 TP4.1 R274.2 ; Q111.2 33.94,16.4 v1(33.89,16.45) 33.84,16.4 33.17,16.4 R330.2 ; 145.36,38.47 143.79,38.47 ; v1(289.46,38.36) 289.35,38.48 288.81,38.48 ; v1(289.46,38.36) 290.45,37.38 v1(290.45,36.46) ; 68.81,38.48 69.35,38.48 v1(69.46,38.37) ; 254.56,36.41 254.62,36.35 255.7,36.35 ; 188.61,36.41 187.54,36.41 ; 75.37,38.48 73.8,38.48 ; v1(247.5,36.44) 249.39,38.33 v1(249.45,38.33) ; Q9.2 325.12,30.2 D57.2 325.51,30.59 C5.1 325.51,37.49 TP2.1 v1(321.25,38.25) ; 310.21,15.44 311.29,15.44 ; R209.2 R208.2 v1(48.84,80.05) 48.85,80.06 ; v1(261.56,36.36) 261.42,36.36 v1(259.45,38.33) ; 72.86,10.28 71.34,11.8 64.09,11.8 63.34,11.05 63.34,9.8 64.66,8.48 C77.1 ; 72.86,10.28 Q126.3 ; 72.86,10.28 77.21,14.63 v1(77.21,15.5) ; 181.55,36.43 180.47,36.43 ; 283.42,37.17 283.29,37.3 C7.1 ; 283.42,37.17 v1(283.42,36.49) ; 95.37,38.48 93.8,38.48 ; 261.54,36.36 261.6,36.3 262.67,36.3 ; Q97.2 v1(33.09,25.85) 33.09,24.98 R196.1 ; v1(179.46,38.36) 180.45,37.37 v1(180.45,36.46) ; v1(179.46,38.36) 179.58,38.47 180.38,38.47 ; v1(179.46,38.36) 179.35,38.47 178.81,38.47 ; 138.68,36.35 137.6,36.35 137.54,36.41 ; R200.2 39.43,41.66 ; R200.2 39.45,42.51 ; v1(151.56,36.36) 151.42,36.36 v1(149.45,38.33) ; 39.43,41.66 v1(38.44,41.66) ; 39.43,41.66 39.43,38.71 v1(39.84,38.3) ; R302.2 124.57,36.45 v1(124.57,38.33) ; SW1.4 326.09,20.92 v1(326.09,18.55) 326.09,16.18 SW1.3 ; 212.09,33.24 212.09,35.3 211.7,35.69 210.54,35.69 v1(210.5,38.23) 210.54,38.26 ; C60.2 24.34,48.93 24.59,49.18 ; v1(174.58,38.32) 173.43,37.16 v1(173.43,36.48) 172.61,37.3 C39.1 ; v1(174.58,38.32) 174.73,38.47 175.38,38.47 ; v1(174.58,38.32) 174.43,38.47 173.81,38.47 ; v1(201.58,36.35) 201.43,36.35 v1(199.46,38.32) ; v1(130.44,36.46) 130.44,38.34 R109.2 ; 179.09,15.51 180.16,15.51 ; 284.52,36.46 283.45,36.46 ; 303.21,15.47 304.29,15.47 ; 85.64,36.37 84.56,36.37 ; 80.09,1 80.14,1.05 C79.2 80.44,3.15 R231.2 R265.1 ; 80.09,1 67.26,1 64.66,3.6 C77.1 ; 80.09,1 Q115.2 ; v1(294.57,38.33) 296.46,36.44 v1(297.51,36.44) 299.4,38.33 v1(299.46,38.33) ; v1(189.46,38.32) 189.4,38.32 v1(187.51,36.43) 186.46,36.43 v1(184.57,38.32) ; 150.37,38.47 148.8,38.47 ; 80.37,38.48 78.8,38.48 ; 291.55,36.44 290.47,36.44 ; R298.2 122.2,39.26 C31.1 122.6,37.3 v1(123.41,36.49) 123.47,36.43 124.55,36.43 ; 64.53,36.47 63.45,36.47 ; 78.61,36.42 77.54,36.42 ; R226.2 v1(12.15,12.85) 9.86,12.85 7.61,10.6 C57.1 ; 200.37,38.47 198.8,38.47 ; R202.2 35,8.36 v1(34.99,8.35) 34.97,8.36 34.36,8.36 C58.2 ; v1(91.58,36.36) 91.43,36.36 v1(89.46,38.33) ; SW2.4 326.09,9.92 v1(326.09,7.55) 326.09,5.18 SW2.3 ; R320.2 115.31,64.43 v1(115.39,64.35) 115.31,64.28 115.31,60.78 114.19,59.65 v1(114.19,38.35) ; 53.99,39.27 53.98,39.26 52.87,39.26 v1(52.84,39.3) 52.8,39.26 51.12,39.26 v1(51.09,39.3) 51.05,39.26 R3.2 ; 83.21,15.47 84.29,15.47 ; R186.2 13.07,15.36 v1(13.14,15.3) 13.2,15.36 R187.2 14.35,15.36 15.79,16.8 19.39,16.8 20.01,17.43 20.01,19.18 v1(20.14,19.3) 20.01,19.43 R211.2 ; v1(84.56,38.33) 84.54,38.3 v1(84.54,36.39) ; 315.37,38.48 313.8,38.48 ; 300.37,38.48 298.8,38.48 ; D147.2 212.09,35.51 v1(212.09,36.55) ; D123.2 221.05,29.61 C20.1 220.62,28.02 C19.2 220.62,15.48 v1(220.59,15.45) 220.62,15.42 220.62,13.52 221.64,12.5 C71.1 224.39,11.15 v1(226.59,8.95) ; D123.2 v1(221.34,31.55) ; D123.2 221.44,30 Q26.2 ; 125.38,38.47 123.81,38.47 ; v1(102.89,16.15) C70.1 102.23,15 96.69,9.45 C69.1 ; 200.21,15.44 201.29,15.44 ; C77.1 65.09,8.38 R262.1 ; 70.38,38.48 69.58,38.48 v1(69.46,38.37) ; v1(70.45,36.47) 70.45,37.38 v1(69.46,38.37) ; 152.68,36.3 151.6,36.3 151.54,36.36 ; 80.24,4.75 81.64,4.75 ; v1(311.57,36.36) 311.43,36.36 v1(309.46,38.33) ; R59.2 R58.2 ; 185.37,38.47 183.8,38.47 ; 131.58,36.43 130.5,36.43 130.44,36.49 ; 298.61,36.41 297.54,36.41 ; R41.2 R40.2 ; 71.55,36.44 70.47,36.44 ; v1(137.5,36.44) 139.39,38.33 v1(139.45,38.33) ; 135.37,38.47 133.8,38.47 ; R57.2 R56.2 ; v1(144.53,36.39) 144.55,36.42 v1(144.55,38.33) ; 202.68,36.33 201.6,36.33 ; 172.08,15.54 173.15,15.54 ; C42.1 102.74,37.18 C27.2 102.97,38.31 R194.1 ; v1(220.34,36.3) 217.91,33.88 R321.2 217.16,33.88 216.34,33.05 v1(216.34,32.05) ; 69.09,15.52 70.16,15.52 ; R166.2 62.06,15.52 v1(64.95,15.52) ; v1(33.75,12.05) 34.57,11.23 D292.2 33.84,9.14 C59.1 ; R13.2 R12.2 ; 241.58,36.43 240.5,36.43 240.44,36.49 ; R328.1 30.58,13.6 30.58,12.78 v1(30.55,12.75) 30.58,12.72 Q158.2 ; 92.68,36.34 91.6,36.34 ; v1(64.58,38.33) 64.73,38.48 65.38,38.48 ; v1(64.58,38.33) 64.43,38.48 63.81,38.48 ; v1(64.58,38.33) 63.43,37.17 v1(63.43,36.49) 62.62,37.3 C43.1 ; v1(304.54,36.39) 304.54,38.3 v1(304.56,38.33) ; R254.2 20.09,44.05 v1(20.19,44.15) 20.29,44.05 22.96,44.05 24.59,45.68 D297.2 24.59,49.18 ; 130.26,38.51 128.69,38.51 ; v1(254.55,38.33) 254.55,36.42 v1(254.53,36.39) ; 24.59,49.18 24.59,50.43 C61.2 25.1,50.94 25.1,51.84 v1(24.99,51.95) 25.1,52.06 C76.2 ; 174.53,36.46 173.45,36.46 ; 144.56,36.41 144.62,36.35 145.7,36.35 ; 155.36,38.47 153.79,38.47 ; 140.26,38.47 138.69,38.47 ; R325.2 v1(19.15,12.85) ; 205.37,38.47 203.8,38.47 ; R48.2 R49.2 ; 85.37,38.48 83.8,38.48 ; 102.09,36.53 103.25,36.53 103.64,36.14 103.64,34.08 ; 282.07,15.54 283.15,15.54 ; v1(194.56,38.32) 194.54,38.29 v1(194.54,36.38) ; Q45.2 133.14,22.44 v1(133.1,22.48) 133.14,22.52 133.14,23.44 D137.2 132.77,23.81 132.34,23.81 v1(132.34,23.8) 132.33,23.81 128.82,23.81 v1(128.79,23.84) 128.75,23.81 C28.2 ; 193.21,15.46 194.29,15.46 ; 195.37,38.47 193.8,38.47 ; 90.37,38.48 88.8,38.48 ; R7.2 R6.2 ; 312.67,36.33 311.6,36.33 ; 186.11,15.51 187.19,15.51 ; v1(221.29,38.35) 221.29,38.4 C36.2 C15.2 ; 90.21,15.45 91.29,15.45 ; 296.11,15.52 297.19,15.52 ; v1(231.39,8.85) 231.09,9.15 R250.2 230.19,7.61 Q121.2 232.04,7.5 R247.2 233.86,7.38 C72.2 235.16,6.08 C73.1 236.49,6.08 R251.2 ; 305.37,38.48 303.8,38.48 ; R65.2 R64.2 ; 289.09,15.52 290.16,15.52 ; R67.2 R66.2 ; 195.64,36.36 194.56,36.36 ; 305.64,36.36 304.56,36.36